# Altium PCB DI543.PcbDoc (part 1 of 8) (continued)
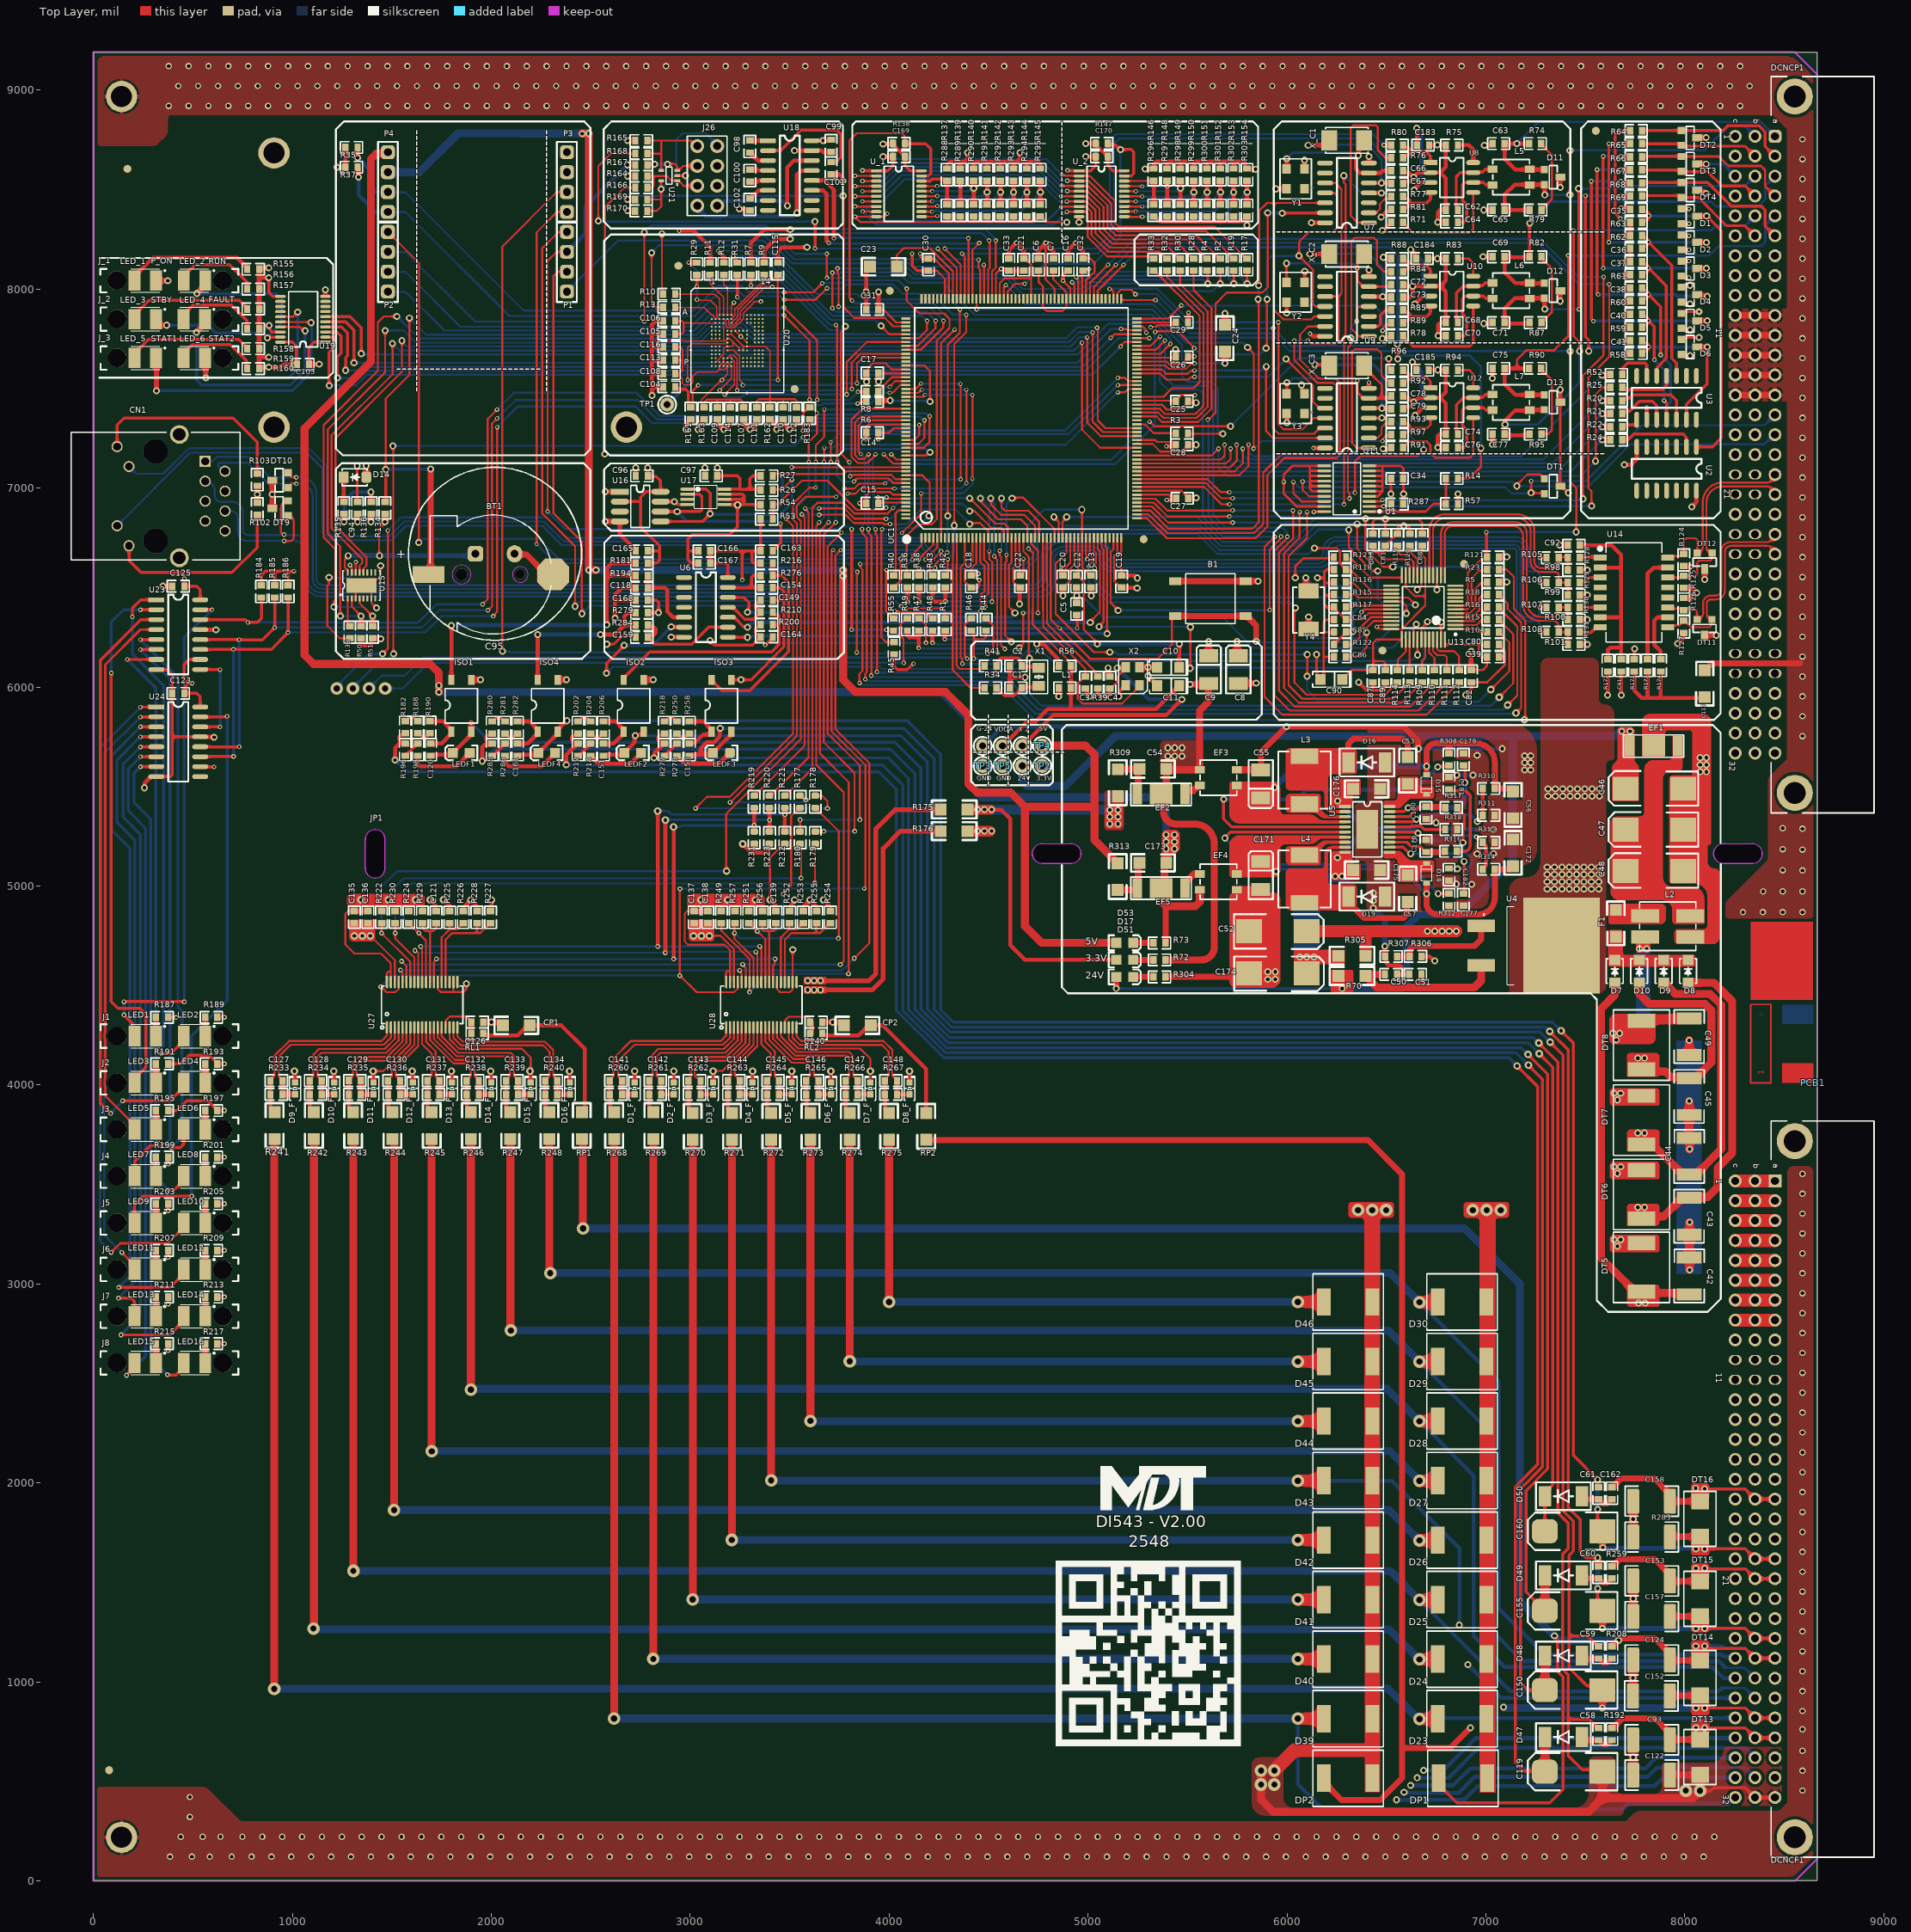
[diagram p0: Top Layer view]
## Components (designator, comment, footprint, x,y, rotation, side; value= is the part's Value field where it differs from the comment) (continued)
D47 "1000V, 1.5A" DO-214AC 7482.77,722.39 r180 top
D48 "1000V, 1.5A" DO-214AC 7482.77,1132.09 r180 top
D49 "1000V, 1.5A" DO-214AC 7482.77,1535.03 r180 top
D50 "1000V, 1.5A" DO-214AC 7482.77,1932.96 r180 top
D51 "Orange" LED-0805#1 5142.27,4543.68 r0 top
D53 "Green" LED-0805#1 5142.27,4715 r0 top
DCNCF1 "533202" EURO2.54-2H96#1 8453.78,3518.5 r270 top locked
DCNCP1 "533202" EURO2.54-2H96#2 8453.78,8768.5 r270 top locked
DP1 "SMCJ36CA" "DO-214AB - Unpolarized" 7006.94,515.73 r180 top
DP2 "SMCJ36CA" "DO-214AB - Unpolarized" 6430,515.73 r180 top
DT1 "NUP2105LT1G" SOT23 7294.5,7047 r0 top
DT2 "NUP2105LT1G" SOT23 7982.44,8798.45 r0 top
DT3 "NUP2105LT1G" SOT23 7982.44,8667.04 r0 top
DT4 "NUP2105LT1G" SOT23 7982.44,8535.63 r0 top
DT5 "SMCJ36CA" "DO-214AB - Unpolarized" 7782.73,2961.1 r90 top
DT6 "SMCJ36CA" "DO-214AB - Unpolarized" 7782.73,3327.92 r90 top
DT7 "SMCJ36CA" "DO-214AB - Unpolarized" 7782.73,3701.52 r90 top
DT8 "SMCJ36CA" "DO-214AB - Unpolarized" 7782.73,4077.91 r90 top
DT9 "10009023" SOT23 978.89,6861.28 r180 top value=NUP2105LT1G
DT10 "10009023" SOT23 978.81,7002.21 r180 top value=NUP2105LT1G
DT11 "10009023" SOT23 8136.93,6339.67 r270 top value=NUP2105LT1G
DT12 "10009023" SOT23 8137.89,6673.5 r270 top value=NUP2105LT1G
DT13 "36V, 600W" "DO-214AA - Unpolarized" 8077.76,533.46 r90 top
DT14 "36V, 600W" "DO-214AA - Unpolarized" 8077.76,931.27 r90 top
DT15 "36V, 600W" "DO-214AA - Unpolarized" 8077.76,1328.91 r90 top
DT16 "36V, 600W" "DO-214AA - Unpolarized" 8077.76,1730.48 r90 top
EF1 "1000pF" NFE61P 7963.58,5703.74 r180 top
EF2 "1000pF" NFE61P 5487.49,5461.49 r180 top
EF3 "ACM4520-142-2P-T000" ACM4520 5655.57,5545.3 r180 top
EF4 "ACM4520-142-2P-T000" ACM4520 5655.57,5021.43 r180 top
EF5 "1000pF" NFE61P 5487.49,4989.45 r180 top
F1 "2A,63VDC" Fuse1206 7653.07,4747.17 r90 top
G-24 "Yellow" "TEST Point Yellow"#2 4320.32,5829.24 r0 top
ISO1 "HCPL-181-00CE" SO4 1799.63,5776.27 r90 top
ISO2 "HCPL-181-00CE" SO4 2666.16,5776.27 r90 top
ISO3 "HCPL-181-00CE" SO4 3107.22,5776.27 r90 top
ISO4 "HCPL-181-00CE" SO4 2233.49,5776.47 r90 top
J1 "1270.1001" LightGuide2 118.9,4246 r0 top locked
J2 "1270.1001" LightGuide2 118.9,4011 r0 top locked
J3 "1270.1001" LightGuide2 118.9,3777 r0 top locked
J4 "1270.1001" LightGuide2 118.9,3542 r0 top locked
J5 "1270.1001" LightGuide2 118.9,3307 r0 top locked
J6 "1270.1001" LightGuide2 118.9,3073 r0 top locked
J7 "1270.1001" LightGuide2 118.9,2838 r0 top locked
J8 "1270.1001" LightGuide2 118.9,2603 r0 top locked
J26 "2X4" "Header 2x4/F/2.54/ST" 3135.83,9319.69 r270 top
J_1 "1270.1001" LightGuide2 117.9,8043.45 r0 top locked
J_2 "1270.1001" LightGuide2 118.9,7849.45 r0 top locked
J_3 "1270.1001" LightGuide2 118.9,7654.45 r0 top locked
JP1 "*" "PCB Plastic guard" 8661.42,5105.86 r0 top locked
L1 "BLM18AG601" "Indicator 0603" 4855.05,5997.29 r0 top value=BLM18BD601SN1
L2 "ACM7060-301-2PL-TL01" DWL7B 7801.27,4849.03 r0 top
L3 "IHLP2525CZER4R7M01" CDRH8D28 6089,5652.88 r270 top
L4 "IHLP2525CZER3R3M01" CDRH8D28 6089,4915.46 r90 top
L5 "ACM4520-142-2P-T000" ACM4520 7127.5,8563.37 r0 top
L6 "ACM4520-142-2P-T000" ACM4520 7127.5,7992.37 r0 top
L7 "ACM4520-142-2P-T000" ACM4520 7127.5,7431.37 r0 top
LED1 "Green" LEDT670 260.63,4246 r0 top
LED2 "Green" LEDT670 508.67,4246 r0 top
LED3 "Green" LEDT670 260.63,4011 r0 top
LED4 "Green" LEDT670 508.67,4011 r0 top
LED5 "Green" LEDT670 260.63,3777 r0 top
LED6 "Green" LEDT670 508.67,3777 r0 top
LED7 "Green" LEDT670 260.63,3542 r0 top
LED8 "Green" LEDT670 508.67,3542 r0 top
LED9 "Green" LEDT670 260.63,3307 r0 top
LED10 "Green" LEDT670 508.67,3307 r0 top
LED11 "Green" LEDT670 260.63,3073 r0 top
LED12 "Green" LEDT670 508.67,3073 r0 top
LED13 "Green" LEDT670 260.63,2838 r0 top
LED14 "Green" LEDT670 508.67,2838 r0 top
LED15 "Green" LEDT670 260.63,2603 r0 top
LED16 "Green" LEDT670 508.67,2603 r0 top
LED_1 "Green" LEDT670 260.98,8043.71 r0 top
LED_2 "Green" LEDT670 507.58,8043.71 r0 top
LED_3 "Green" LEDT670 260.98,7849.8 r0 top
LED_4 "Green" LEDT670 507.23,7849.8 r0 top
LED_5 "Green" LEDT670 260.98,7654.96 r0 top
LED_6 "Green" LEDT670 507.23,7654.96 r0 top
LEDF1 "ORANGE" LED-0805#1 1892.13,5669.26 r180 top value=Orange
LEDF2 "ORANGE" LED-0805#1 2753.57,5669.26 r180 top value=Orange
LEDF3 "ORANGE" LED-0805#2 3199.72,5669.26 r180 top value=Orange
LEDF4 "ORANGE" LED-0805#1 2321.31,5669.26 r180 top value=Orange
P1 "1x4" "Header 1x4/M/ST" 2380.42,8138 r270 top
P2 "1x4" "Header 1x4/M/ST" 1480.42,8138 r270 top
P3 "1x4" "Header 1x4/M/ST" 2380.42,8538.48 r90 top
P4 "1x4" "Header 1x4/M/ST" 1480.42,8538.48 r90 top
PCB1 "" LayerN4 8646,4011 r90 top
R1 "0R" "RES 0603"#1 4280.8,6313.78 r90 top
R2 "33R" "RES 0603"#1 5667.5,8123.7 r270 top
R3 "0R" "RES 0603"#1 5472,7278 r0 top
R4 "33R" "RES 0603"#1 5600.61,8123.7 r270 top
R5 "33R" "RES 0603"#1 7036.27,6526.52 r180 top
R6 "0R" "RES 0603"#1 3915.43,7436.97 r0 top
R7 "0R" "RES 0603"#1 3307,8103.4 r270 top
R8 "0R" "RES 0603"#1 3915.43,7488 r0 top
R9 "0R" "RES 0603"#1 3375,8103.4 r270 top
R10 "0R" "RES 0603"#1 2894,7977.42 r0 top
R11 "0R" "RES 0603"#1 3103,8103.4 r270 top
R12 "0R" "RES 0603"#1 3171,8103.4 r270 top
R13 "0R" "RES 0603"#1 2894,7910.79 r0 top
R14 "0R" "RES 0603"#1 6829,7050.38 r0 top
R15 "33R" "RES 0603"#2 7036.27,6338.08 r180 top
R16 "33R" "RES 0603"#1 7036.27,6400.9 r180 top
R17 "33R" "RES 0603"#1 5801.28,8123.7 r270 top
R18 "33R" "RES 0603"#1 7036.27,6463.71 r180 top
R19 "33R" "RES 0603"#1 5734.39,8123.7 r270 top
R20 "0R" "RES 0603"#1 7656,7441.98 r0 top
R21 "0R" "RES 0603"#1 7656,7376.12 r0 top
R22 "0R" "RES 0603"#1 7656,7310.27 r0 top
R23 "33R" "RES 0603"#1 7035.27,6593.34 r0 top
R24 "0R" "RES 0603"#1 7656,7244.42 r0 top
R25 "0R" "RES 0603"#1 7656,7507.83 r0 top
R26 "4.7K, 1%" "RES 0603"#1 3384.43,6991.36 r0 top
R27 "4.7K, 1%" "RES 0603"#1 3384.43,7063.68 r0 top
R28 "33R" "RES 0603"#1 5533.72,8123.7 r270 top
R29 "0R" "RES 0603"#1 3031,8102.4 r90 top
R30 "33R" "RES 0603"#1 5466.83,8123.7 r270 top
R31 "0R" "RES 0603"#1 3235,8102.4 r90 top
R32 "33R" "RES 0603"#1 5399.94,8123.7 r270 top
R33 "33R" "RES 0603"#1 5333.05,8123.7 r270 top
R34 "0R" "RES 0603"#1 4510.89,5994.56 r180 top
R35 "4.7K, 1%" "RES 0603"#1 1297.27,8714.48 r0 top
R36 "0R" "RES 0603"#1 4093.66,6531 r270 top
R37 "4.7K, 1%" "RES 0603"#1 1297.27,8614.89 r0 top
R38 "0R" "RES 0603"#1 4152.45,6531 r270 top
R39 "0R" "RES 0603"#1 5046.52,6022.29 r90 top
R40 "0R" "RES 0603"#3 4025.02,6531 r270 top
R41 "0R" "RES 0603"#1 4510.89,6104.02 r180 top
R42 "0R" "RES 0603"#1 4284.8,6531 r270 top
R43 "0R" "RES 0603"#1 4221.09,6531 r270 top
R44 "0R" "RES 0603"#4 4490.08,6314.78 r270 top
R45 "10K, 1%" "RES 0603"#1 4022.99,6194.88 r90 top
R46 "0R" "RES 0603"#4 4416.5,6314.78 r270 top
R47 "0R" "RES 0603"#5 4152.45,6314.78 r270 top
R48 "0R" "RES 0603"#5 4221.09,6314.78 r270 top
R49 "0R" "RES 0603"#6 4093.66,6314.78 r270 top
R50 "4.7K, 1%" "RES 0603"#1 1344.06,6275.4 r90 top
R51 "4.7K, 1%" "RES 0603"#1 1401.3,6275.4 r90 top
R52 "0R" "RES 0603"#1 7656,7573.68 r0 top
R53 "10K, 1%" "RES 0603"#1 3385.43,6842.72 r180 top
R54 "10K, 1%" "RES 0603"#1 3385.43,6915.04 r180 top
R55 "10K, 1%" "RES 0603"#7 4021.02,6313.78 r90 top
R56 "0R" "RES 0603"#1 4883.05,6108.29 r0 top
R57 "4.7K, 1%" "RES 0603"#1 6830,6920.05 r180 top
R58 "3.3K, 1%" "RES 0603"#1 7756,7675 r180 top
R59 "3.3K, 1%" "RES 0603"#1 7756,7806.82 r180 top
R60 "3.3K, 1%" "RES 0603"#1 7756,7938.65 r180 top
R61 "3.3K, 1%" "RES 0603"#1 7756,8070.47 r180 top
R62 "3.3K, 1%" "RES 0603"#1 7756,8268.21 r180 top
R63 "3.3K, 1%" "RES 0603"#1 7756,8334.12 r180 top
R64 "100R, 1%" "RES 0603"#1 7755.91,8795.51 r180 top
R65 "100R, 1%" "RES 0603"#1 7756.08,8729.6 r180 top
R66 "100R, 1%" "RES 0603"#1 7756.08,8663.68 r180 top
R67 "100R, 1%" "RES 0603"#1 7756.08,8597.77 r180 top
R68 "100R, 1%" "RES 0603"#1 7756.08,8531.86 r180 top
R69 "100R, 1%" "RES 0603"#1 7756.08,8465.95 r180 top
R70 "0R" "RES 1206" 6138.64,4671.39 r0 top
R71 "0R" "RES 0603"#1 6555,8334.94 r180 top
R72 "1K, 1%" "RES 0603"#1 5360.19,4626.76 r180 top
R73 "1K, 1%" "RES 0603"#1 5360.19,4712 r180 top
R74 "120" "RES 0603"#1 7249,8730 r180 top
R75 "0R" "RES 0603"#1 6829,8726.22 r0 top
R76 "0R" "RES 0603"#1 6555,8657.68 r180 top
R77 "0R" "RES 0603"#1 6555,8464.07 r180 top
R78 "0R" "RES 0603"#1 6555,7764.37 r180 top
R79 "0R" "RES 0603"#1 7250,8400 r0 top
R80 "0R" "RES 0603"#1 6554,8726.22 r0 top
R81 "0R" "RES 0603"#1 6554,8403.54 r0 top
R82 "120" "RES 0603"#1 7250,8161 r180 top
R83 "0R" "RES 0603"#1 6829,8155.83 r0 top
R84 "0R" "RES 0603"#1 6555,8086.86 r180 top
R85 "0R" "RES 0603"#1 6555,7892.94 r180 top
R87 "0R" "RES 0603"#1 7249,7834 r0 top
R88 "0R" "RES 0603"#1 6554,8155.83 r0 top
R89 "0R" "RES 0603"#1 6554,7832.47 r0 top
R90 "120" "RES 0603"#1 7249,7600 r180 top
R91 "0R" "RES 0603"#1 6555,7203 r180 top
R92 "0R" "RES 0603"#1 6555,7525.62 r180 top
R93 "0R" "RES 0603"#1 6555,7332.05 r180 top
R94 "0R" "RES 0603"#1 6829,7595 r0 top
R95 "0R" "RES 0603"#1 7250,7273 r0 top
R96 "0R" "RES 0603"#1 6554,7594.14 r0 top
R97 "0R" "RES 0603"#1 6554,7271.52 r0 top
R98 "49.9R 1%" "RES 0603"#1 7442.25,6590.17 r0 top
R99 "49.9R 1%" "RES 0603"#1 7442.25,6465.6 r0 top
R100 "49.9R" "RES 0603"#1 7442.25,6341.03 r0 top
R101 "49.9R" "RES 0603"#1 7442.25,6216.46 r0 top
R102 "240R 1%" "RES 0603"#1 822,6895.78 r90 top
R103 "240R 1%" "RES 0603"#1 826,7042.71 r270 top
R104 "33R" "RES 0603"#1 7036.27,6275.27 r180 top
R105 "0R" "RES 0603"#1 7336.06,6648.46 r180 top
R106 "0R" "RES 0603"#1 7336.06,6523.88 r180 top
R107 "0R" "RES 0603"#1 7336.06,6399.31 r180 top
R108 "0R" "RES 0603"#1 7336.06,6274.74 r180 top
R109 "33R" "RES 0603"#1 6678.01,6054.48 r90 top
R110 "33R" "RES 0603"#1 6739.91,6054.48 r90 top
R111 "33R" "RES 0603"#1 6801.81,6054.48 r90 top
R112 "33R" "RES 0603"#1 6863.72,6054.48 r90 top
R113 "33R" "RES 0603"#1 6616.1,6054.48 r90 top
R114 "33R" "RES 0603"#1 6554.2,6054.48 r90 top
R115 "2.2K" "RES 0603"#1 6267.23,6463.71 r180 top
R116 "2.2K" "RES 0603"#1 6267.23,6526.52 r180 top
R117 "1.5K" "RES 0603"#1 6266.23,6404.9 r0 top
R118 "2.2K" "RES 0603"#1 6267.23,6589.34 r180 top
R119 "2.2K" "RES 0603"#8 6554.2,6740.48 r90 top
R120 "2.2K" "RES 0603"#8 6616.1,6740.48 r90 top
R121 "1.5K" "RES 0603"#1 7036.27,6652.15 r180 top
R122 "0R" "RES 0603"#4 6266.23,6216.46 r0 top
R123 "4.87K" "RES 0603"#9 6266.23,6656.15 r0 top
R124 "49.9R 1%" "RES 0603"#1 7997.05,6639.49 r270 top
R125 "49.9R 1%" "RES 0603"#1 7997.1,6528.96 r270 top
R126 "49.9R 1%" "RES 0603"#1 7993.1,6416.7 r90 top
R127 "49.9R 1%" "RES 0603"#1 7997.1,6303.55 r270 top
R128 "0R" "RES 0603"#1 7442.25,6652.46 r0 top
R129 "0R" "RES 0603"#1 7442.25,6527.88 r0 top
R130 "0R" "RES 0603"#1 7442.25,6403.31 r0 top
R131 "0R" "RES 0603"#1 7442.25,6278.74 r0 top
R133 "0R" "RES 0603"#1 1286.83,6275.4 r90 top
R134 "0R" "RES 0603"#1 1463.53,6900.16 r90 top
R135 "100R, 1%" "RES 0603"#1 1256.89,6900.16 r90 top
R136 "100R, 1%" "RES 0603"#1 1394.65,6900.16 r90 top
R137 "4.7K, 1%" "RES 0603"#1 4289.84,8575.54 r90 top
R138 "10K, 1%" "RES 0603"#4 4050.66,8731 r180 top
R139 "4.7K, 1%" "RES 0603"#1 4356.73,8575.54 r90 top
R140 "4.7K, 1%" "RES 0603"#1 4423.62,8575.54 r90 top
R141 "4.7K, 1%" "RES 0603"#1 4490.51,8575.54 r90 top
R142 "4.7K, 1%" "RES 0603"#1 4557.4,8575.54 r90 top
R143 "4.7K, 1%" "RES 0603"#1 4624.29,8575.54 r90 top
R144 "4.7K, 1%" "RES 0603"#1 4691.18,8575.54 r90 top
R145 "4.7K, 1%" "RES 0603"#1 4758.07,8575.54 r90 top
R146 "4.7K, 1%" "RES 0603"#1 5329.05,8575.54 r90 top
R147 "10K, 1%" "RES 0603"#4 5069.64,8731 r180 top
R148 "4.7K, 1%" "RES 0603"#1 5395.94,8575.54 r90 top
R149 "4.7K, 1%" "RES 0603"#1 5462.83,8575.54 r90 top
R150 "4.7K, 1%" "RES 0603"#1 5529.72,8575.54 r90 top
R151 "4.7K, 1%" "RES 0603"#1 5596.61,8575.54 r90 top
R152 "4.7K, 1%" "RES 0603"#1 5663.5,8575.54 r90 top
R153 "4.7K, 1%" "RES 0603"#1 5730.39,8575.54 r90 top
R154 "4.7K, 1%" "RES 0603"#1 5797.28,8575.54 r90 top
R155 "680R" "RES 0603"#8 802.79,8102.68 r0 top
R156 "680R" "RES 0603"#8 802.79,8002.77 r0 top
R157 "680R" "RES 0603"#8 802.79,7902.86 r0 top
R158 "680R" "RES 0603"#8 802.79,7802.95 r0 top
R159 "680R" "RES 0603"#8 803.79,7699.04 r180 top
R160 "680R" "RES 0603"#8 803.79,7599.13 r180 top
R161 "10K, 1%" "RES 0603"#1 3001.47,7375.12 r90 top
R162 "0R" "RES 0603"#1 3399.45,7375.12 r90 top
R163 "0R" "RES 0603"#1 3067.8,7375.12 r90 top
R164 "4.7K, 1%" "RES 0603"#1 2754.92,8565.47 r180 top
R165 "4.7K, 1%" "RES 0603"#1 2754.92,8745.08 r180 top
R166 "22R" "RES 0603"#1 2753.92,8512.35 r0 top
R167 "22R" "RES 0603"#1 2753.92,8626.58 r0 top
R168 "22R" "RES 0603"#1 2753.92,8683.69 r0 top
R169 "22R" "RES 0603"#1 2753.74,8453.76 r0 top
R170 "4.7K, 1%" "RES 0603"#1 2753.74,8395.47 r0 top
R171 "0R" "RES 0603"#1 7744.46,6108.46 r90 top
R172 "0R" "RES 0603"#1 7615.95,6109.46 r270 top
R173 "68R" "RES 0603"#1 7814.72,6109.46 r270 top
R174 "68R" "RES 0603"#1 7880.98,6109.46 r270 top
R175 "0R" "RES 1206" 4515.57,5261.52 r180 top
R176 "0R" "RES 1206" 4515.57,5152.65 r180 top
R177 "0R" "RES 0603"#10 3550.37,5423.07 r90 top
R178 "0R" "RES 0603"#10 3631.12,5424.07 r270 top
R179 "0R" "RES 0603"#10 3631.12,5243.88 r270 top
R180 "0R" "RES 0603"#10 3554.37,5243.88 r270 top
R181 "10K, 1%" "RES 0603"#1 2757.2,6620.67 r180 top
R182 "1.5K" "RES 0603"#1 1569.9,5798.65 r270 top
R183 "0R" "RES 0603"#1 3598.43,7375.12 r90 top
R184 "1K, 1%" "RES 0603"#1 842.52,6480.19 r90 top
R185 "1K, 1%" "RES 0603"#1 909.42,6480.19 r90 top
R186 "1K, 1%" "RES 0603"#1 976.83,6480.19 r90 top
R187 "680R" "RES 0603"#1 344.49,4342.52 r0 top
R188 "1.5K" "RES 0603"#1 1628.02,5797.65 r90 top
R189 "680R" "RES 0603"#1 592.41,4342.52 r0 top
R190 "1.5K" "RES 0603"#1 1694.14,5798.65 r270 top
R191 "680R" "RES 0603"#1 344.49,4108.11 r0 top
R192 "0R" "RES 0603"#1 7635.96,737.39 r270 top
R193 "680R" "RES 0603"#1 592.41,4108.11 r0 top
R194 "1K, 1%" "RES 0603"#1 2757.2,6558.59 r180 top
R195 "680R" "RES 0603"#1 344.49,3873.71 r0 top
R196 "1.5K" "RES 0603"#2 1565.9,5684.76 r90 top
R197 "680R" "RES 0603"#1 592.41,3873.71 r0 top
R198 "1.5K" "RES 0603"#11 1629.53,5684.76 r90 top
R199 "680R" "RES 0603"#1 344.49,3639.3 r0 top
R200 "10K, 1%" "RES 0603"#1 3384.43,6316 r0 top
R201 "680R" "RES 0603"#1 592.41,3639.3 r0 top
R202 "1.5K" "RES 0603"#1 2438.48,5797.65 r270 top
R203 "680R" "RES 0603"#1 344.49,3404.9 r0 top
R204 "1.5K" "RES 0603"#1 2498.39,5796.65 r90 top
R205 "680R" "RES 0603"#1 592.41,3404.9 r0 top
R206 "1.5K" "RES 0603"#1 2566.3,5797.65 r270 top
R207 "680R" "RES 0603"#1 344.49,3170.49 r0 top
R208 "0R" "RES 0603"#1 7635.96,1148.09 r270 top
R209 "680R" "RES 0603"#1 592.41,3170.49 r0 top
R210 "1K, 1%" "RES 0603"#1 3384.43,6377.79 r0 top
R211 "680R" "RES 0603"#1 344.49,2936.09 r0 top
R212 "1.5K" "RES 0603"#2 2434.48,5684.76 r90 top
R213 "680R" "RES 0603"#1 592.41,2936.09 r0 top
R214 "1.5K" "RES 0603"#11 2498.39,5684.76 r90 top
R215 "680R" "RES 0603"#1 344.49,2701.68 r0 top
R216 "10K, 1%" "RES 0603"#1 3384.43,6624.95 r0 top
R217 "680R" "RES 0603"#1 592.41,2701.68 r0 top
R218 "1.5K" "RES 0603"#1 2872.54,5797.65 r270 top
R219 "0R" "RES 0603"#10 3320.12,5423.07 r90 top
R220 "0R" "RES 0603"#10 3396.87,5423.07 r90 top
R221 "0R" "RES 0603"#10 3473.62,5423.07 r90 top
R222 "4.7K, 1%" "RES 0603"#1 1450.62,4843.61 r270 top
R223 "4.7K, 1%" "RES 0603"#10 3396.87,5242.88 r90 top
R224 "4.7K, 1%" "RES 0603"#1 1587.62,4843.61 r270 top
R225 "1K, 1%" "RES 0603"#1 1793.12,4843.47 r270 top
R226 "1K, 1%" "RES 0603"#1 1857.62,4842.47 r90 top
R227 "1K, 1%" "RES 0603"#1 1998.62,4843.47 r270 top
R228 "1K, 1%" "RES 0603"#1 1926.12,4842.47 r90 top
R229 "4.7K, 1%" "RES 0603"#1 1656.12,4843.61 r270 top
R230 "4.7K, 1%" "RES 0603"#1 1519.12,4843.61 r270 top
R231 "4.7K, 1%" "RES 0603"#10 3320.12,5242.88 r90 top
R232 "4.7K, 1%" "RES 0603"#10 3477.62,5243.88 r270 top
R233 "16K, 1%" "RES 0603"#1 920.38,3951.06 r180 top
R234 "16K, 1%" "RES 0603"#1 1117.84,3951.06 r180 top
R235 "16K, 1%" "RES 0603"#1 1315.29,3951.06 r180 top
R236 "16K, 1%" "RES 0603"#1 1512.75,3951.06 r180 top
R237 "16K, 1%" "RES 0603"#1 1710.2,3951.06 r180 top
R238 "16K, 1%" "RES 0603"#1 1907.65,3951.06 r180 top
R239 "16K, 1%" "RES 0603"#1 2105.11,3951.06 r180 top
R240 "16K, 1%" "RES 0603"#1 2302.56,3951.06 r180 top
R241 "1K - 0.5%" "RES 1206" 787.38,3607.56 r90 top
R242 "1K - 0.5%" "RES 1206" 984.84,3607.56 r90 top
R243 "1K - 0.5%" "RES 1206" 1182.29,3607.56 r90 top
R244 "1K - 0.5%" "RES 1206" 1379.75,3607.56 r90 top
R245 "1K - 0.5%" "RES 1206" 1577.2,3607.56 r90 top
R246 "1K - 0.5%" "RES 1206" 1774.65,3607.56 r90 top
R247 "1K - 0.5%" "RES 1206" 1972.11,3607.56 r90 top
R248 "1K - 0.5%" "RES 1206" 2169.56,3607.56 r90 top
R249 "4.7K, 1%" "RES 0603"#1 3159.28,4843.47 r270 top
R250 "1.5K" "RES 0603"#1 2931.62,5796.65 r90 top
R251 "4.7K, 1%" "RES 0603"#1 3296.28,4843.47 r270 top
R252 "1K, 1%" "RES 0603"#1 3501.78,4843.47 r270 top
R253 "1K, 1%" "RES 0603"#1 3566.28,4842.47 r90 top
R254 "1K, 1%" "RES 0603"#1 3707.28,4843.47 r270 top
R255 "1K, 1%" "RES 0603"#1 3634.78,4842.47 r90 top
R256 "4.7K, 1%" "RES 0603"#1 3364.78,4843.47 r270 top
R257 "4.7K, 1%" "RES 0603"#1 3227.78,4843.47 r270 top
R258 "1.5K" "RES 0603"#1 2998.7,5797.65 r270 top
R259 "0R" "RES 0603"#1 7635.96,1551.03 r270 top
R260 "16K, 1%" "RES 0603"#1 2627.43,3951.06 r180 top
R261 "16K, 1%" "RES 0603"#1 2824.92,3951.06 r180 top
R262 "16K, 1%" "RES 0603"#1 3022.42,3951.06 r180 top
R263 "16K, 1%" "RES 0603"#1 3219.92,3951.06 r180 top
R264 "16K, 1%" "RES 0603"#1 3417.41,3951.06 r180 top
R265 "16K, 1%" "RES 0603"#1 3614.91,3951.06 r180 top
R266 "16K, 1%" "RES 0603"#1 3812.41,3951.06 r180 top
R267 "16K, 1%" "RES 0603"#1 4009.91,3951.06 r180 top
R268 "1K - 0.5%" "RES 1206" 2494.43,3607.56 r90 top
R269 "1K - 0.5%" "RES 1206" 2691.92,3607.56 r90 top
R270 "1K - 0.5%" "RES 1206" 2889.42,3603.39 r90 top
R271 "1K - 0.5%" "RES 1206" 3086.92,3603.39 r90 top
R272 "1K - 0.5%" "RES 1206" 3284.41,3603.39 r90 top
R273 "1K - 0.5%" "RES 1206" 3481.91,3603.39 r90 top
R274 "1K - 0.5%" "RES 1206" 3679.41,3603.39 r90 top
R275 "1K - 0.5%" "RES 1206" 3876.91,3603.39 r90 top
R276 "1K, 1%" "RES 0603"#1 3384.43,6563.16 r0 top
R277 "1.5K" "RES 0603"#12 2868.54,5684.76 r90 top
R278 "1.5K" "RES 0603"#11 2931.62,5684.76 r90 top
R279 "10K, 1%" "RES 0603"#4 2757.2,6372.36 r180 top
R280 "1.5K" "RES 0603"#1 2006.6,5797.65 r270 top
R281 "1.5K" "RES 0603"#1 2066.51,5796.65 r90 top
R282 "1.5K" "RES 0603"#1 2134.42,5797.65 r270 top
R283 "0R" "RES 0603"#1 7635.96,1948.96 r270 top
R284 "1K, 1%" "RES 0603"#4 2757.2,6310.29 r180 top
R285 "1.5K" "RES 0603"#2 2002.6,5684.76 r90 top
R286 "1.5K" "RES 0603"#11 2066.51,5684.76 r90 top
R287 "0R" "RES 0603"#1 6555,6918.36 r180 top
R288 "0R" "RES 0603"#1 4289.84,8395.98 r90 top
R289 "0R" "RES 0603"#1 4356.73,8395.98 r90 top
R290 "0R" "RES 0603"#1 4423.62,8395.98 r90 top
R291 "0R" "RES 0603"#1 4490.51,8395.98 r90 top
R292 "0R" "RES 0603"#1 4557.4,8395.98 r90 top
R293 "0R" "RES 0603"#1 4624.29,8395.98 r90 top
R294 "0R" "RES 0603"#1 4691.18,8395.98 r90 top
R295 "0R" "RES 0603"#1 4758.07,8395.98 r90 top
R296 "0R" "RES 0603"#1 5329.05,8395.98 r90 top
R297 "0R" "RES 0603"#1 5395.94,8395.98 r90 top
R298 "0R" "RES 0603"#1 5462.83,8395.98 r90 top
R299 "0R" "RES 0603"#1 5529.72,8395.98 r90 top
R300 "0R" "RES 0603"#1 5596.61,8395.98 r90 top
R301 "0R" "RES 0603"#1 5663.5,8395.98 r90 top
R302 "0R" "RES 0603"#1 5730.39,8395.98 r90 top
R303 "0R" "RES 0603"#1 5797.28,8395.98 r90 top
R304 "4.7K, 1%" "RES 0603"#1 5359.19,4545.51 r0 top
R305 "0R" "RES 1206" 6515.64,4525.96 r180 top
R306 "1K, 1%" "RES 0603"#1 6646.19,4648.69 r0 top
R307 "15K, 1%" "RES 0603"#1 6523.54,4647.98 r0 top
R308 "100K, 1%" "RES 0603"#1 6817.04,5637.25 r270 top
R309 "0R" "RES 1206" 5273.27,5707.88 r270 top
R310 "24.9K, 1%" "RES 0603"#1 7015,5488.23 r180 top
R311 "8.06K, 1%" "RES 0603"#1 7015,5353.08 r180 top
R312 "100K, 1%" "RES 0603"#1 6813.04,4931.09 r90 top
R313 "0R" "RES 1206" 5026.27,4858.84 r90 top
R314 "42.2K, 1%" "RES 0603"#1 7014,5086.77 r0 top
R315 "8.06K, 1%" "RES 0603"#1 7015,5217.92 r180 top
R316 "31.6K, 1%" "RES 0603"#1 6825.14,5172.69 r180 top
R317 "84.5K, 1%" "RES 0603"#1 6826.14,5396.25 r0 top
R318 "61.9K, 1%" "RES 0603"#1 6826.14,5282.47 r180 top
RL1 "0R" "RES 0603"#1 1929,4260.38 r0 top
RL2 "0R" "RES 0603"#1 3633.27,4260.38 r0 top
RP1 "1K - 0.5%" "RES 1206" 2578.99,3984.56 r270 top
RP2 "1K - 0.5%" "RES 1206" 4309.89,3980.39 r270 top
TP1 "Yellow" "TEST Point Yellow"#1 2759.54,7269.93 r90 top
TP2 "3.3V" "TEST Point Orange" 4644.5,5454.23 r90 top value=Orange
TP3 "GND" "TEST Point RED"#1 4345.32,5454.24 r90 top value=Red
TP4 "5V" "TEST Point RED"#1 4645,5555.24 r90 top value=Red
TP5 "GND" "TEST Point RED"#1 4445.07,5454.24 r90 top value=Red
U1 "SN74LVC245A" 74245 6301.03,6997.43 r180 top
U2 "SN74LV14ADR" SO14 8059.25,7207.86 r270 top
U3 "SN74LV14ADR" SO14 8059.25,7564.63 r270 top
U4 "LM317D2T-TR" D2PACK 7179,4701 r0 top
U5 "LT3501EFE#PBF" TSSOP20-21 6292,5399.63 r0 top
U6 "CD40106BM96" SO14 2968.55,6551.45 r0 top
U7 "MCP2517FD" SO14 6412.42,8333.53 r180 top
U8 "SN65HVD233D" SOIC8 6721.5,8636.38 r0 top
U9 "MCP2517FD" SO14 6412.42,7762.53 r180 top
U10 "SN65HVD233D" SOIC8 6721.5,8065.38 r0 top
U11 "MCP2517FD" SO14 6412.42,7201.53 r180 top
U12 "SN65HVD233D" SOIC8 6721.5,7504.38 r0 top
U13 "DP83848CVV" LQFP-48_M 6847.23,6292.36 r180 top
U14 "H1102NL" H1102NL 7744.46,6475.84 r0 top
U15 "PCF2131" SON_131TFY_NXP 1347.83,6510.75 r90 top
U16 "CAT24C64WI-GT3" SO8 2646.48,6982.43 r0 top
U17 "TCN75-3.3MUA" MSOP8 2984.29,6994.79 r0 top
U18 "ADM3202ARNZ" SO16 3391.42,8746.3 r0 top
U19 "SN74LV573APWR" TSSOP20 1166.38,7733.82 r180 top
U20 "EMMC04G-MK27-C01C" EMMC 3236.5,7742.12 r0 top value=4GB
U21 "TVS Diodes 25W 6.1V Quad Array" SOT-353 2935.04,8545.28 r180 top
U23 "SN74HC595D" SO16 317,6438.64 r0 top
U24 "SN74HC595D" SO16 317,5899.92 r0 top
U27 "ISO1228DFBR" SSOP38 1652.56,4403.49 r90 top
U28 "ISO1228DFBR" SSOP38 3357.74,4403.49 r90 top
U_1 "SN74LV245APWR" TSSOP20 3936.42,8594.92 r0 top
U_2 "SN74LV245APWR" TSSOP20 4955.62,8594.92 r0 top
UC1 "STM32F769BIT6" LQF208 4689.22,7348.34 r90 top
VDDA "Red" "TEST Point RED"#2 4445.32,5554.24 r90 top
X1 "32.7680KHZ" "Xtal 32.78" 4751.71,6050.29 r270 top
X2 "Crystals 20MHz" "Crystal 20m" 5223.34,6055.29 r90 top
"X 2" "Red" "TEST Point RED"#1 4545.32,5554.24 r90 top
X_C1 "20MHz" CRYSTAL-ABM3 6388.5,8748.08 r180 top
X_C2 "20MHz" CRYSTAL-ABM3 6388.5,8177.08 r180 top
X_C3 "20MHz" CRYSTAL-ABM3 6388.5,7616 r180 top
Y1 "12MHZ" OSC-5X3.2 6089.31,8504.46 r90 top
Y2 "12MHZ" OSC-5X3.2 6089.31,7934.53 r90 top
Y3 "12MHZ" OSC-5X3.2 6089.31,7374.94 r90 top
Y4 "25.0000 MHz" ABM7-3.5X6 6109.25,6387.8 r90 top

## Footprints (in the part's own frame and the unit in brackets; to place one, negate y for a bottom-side part, rotate by r counter-clockwise, add the part's x,y. Pads: shape width x height; smd on the part's side, far side on the other; paste and mask are expansions set on the pad)
3528-21 [mm]
  rect 1.65x2.4 smd: 1(0,0) 2(3.54,0)
  silkscreen extent -1.32,-1.55 4.8,1.55, body extent 0.11,-1.44 3.81,1.49, height 2.03
7343 [mil]
  rect 130x120 smd: 1(0,0) 2(290,0)
  silkscreen extent -86,-85 365,89, body extent 15,-89 315,92, height 157
74245 [mil]
  oval 68.58x14.33 smd: 1(-113.03,115.16) 2(-113.03,89.57) 3(-113.03,63.98) 4(-113.03,38.39) 5(-113.03,12.79) 6(-113.03,-12.8) 7(-113.03,-38.39) 8(-113.03,-63.98) 9(-113.03,-89.57) 10(-113.03,-115.16) 11(113.03,-115.16) 12(113.03,-89.57) 13(113.03,-63.98) 14(113.03,-38.39) 15(113.03,-12.8) 16(113.03,12.79) 17(113.03,38.39) 18(113.03,63.98) 19(113.03,89.57) 20(113.03,115.16)
  silkscreen extent -171,-131 70,131, body extent -126,-128 126,128, height 47
ABM7-3.5X6 [mil]
  rect 75x102 smd mask+2: 1(-95.5,0) 2(95.5,0)
  silkscreen extent -116,-79 114,79, body extent -118,-69 118,69, height 55
ACM4520 [mm]
  rect 1.25x0.95 smd: 1(-2.375,1) 2(-2.375,-1) 3(2.375,-1) 4(2.375,1)
  silkscreen extent -2.35,-2.25 2.35,2.25, body extent -2.26,-1.62 2.36,1.63, height 2.98
"BAT Holder 1220" [mil] "BAT Holder 1220"
  rect 160x85 smd: 1(-163.99,2)
  oct 160x160 smd: 2(461.99,2)
  round 58 hole 58: ""(1.36,2)
  round 47 hole 47: ""(296.64,2)
  Top Layer region: 381.99,-32 381.99,36 390.49,44.5 533.49,44.5 541.99,36 541.99,-32 533.49,-40.5 390.49,-40.5
  Top Layer keep-out circle w1: c1.36,2 r47.25
  Top Layer keep-out circle w1: c296.64,2 r39.37
  silkscreen extent -156,-297 453,301, body extent -226,-286 514,295
"CAP 0603"#1 [mil]
  rect 32x39 smd: 1(-30,-1) 2(31,-1)
  silkscreen extent -55,-30 56,28, body extent -39,-16 39,15, height 31
"CAP 0603"#2 [mil]
  rect 32x37.4 smd: 1(-30,-1) 2(31,-1)
  silkscreen extent -55,-30 56,28, body extent -39,-16 39,15, height 31
"CAP 0603"#3 [mil]
  rrect20% 32x39 smd: 1(-30,-1)
  rect 32x39 smd: 2(31,-1)
  silkscreen extent -55,-30 56,28, body extent -39,-16 39,15, height 31
"CAP 0603"#4 [mil]
  rrect20% 32x39 smd: 1(-30,-1) 2(31,-1)
  silkscreen extent -55,-30 56,28, body extent -39,-16 39,15, height 31
"CAP 0603"#5 [mil]
  rrect30% 32x39 smd: 1(-30,-1) 2(31,-1)
  silkscreen extent -55,-30 56,28, body extent -39,-16 39,15, height 31
"CAP 0603"#6 [mil] "Chip Inductor, Body 0.6x0.3mm, IPC High Density"
  rect 32x39 smd: 1(-30,-1)
  rrect20% 32x39 smd: 2(31,-1)
  silkscreen extent -55,-30 56,28, body extent -39,-16 39,15, height 31
"Cap 1206" [mil] "Cap1206"
  rect 60x60 smd: 1(-370,-78) 2(-235,-78)
  silkscreen extent -412,-121 -193,-34, body extent -382,-111 -224,-48, height 60
"CAP 1812"#1 [mil] "CAP 1812"
  rect 60x125 smd: 1(266,-137) 2(451,-137)
  silkscreen extent 224,-212 492,-61, body extent 246,-201 468,-75, height 100
"CAP 1812"#2 [mil] "CAP 1812"
  rrect20% 60x125 smd: 1(266,-137) 2(451,-137)
  silkscreen extent 224,-212 492,-61, body extent 246,-201 468,-75, height 100
"CAP Tantal 7343" [mil] "CAP Tantal 7343"
  rrect50% 130x120 smd: 1(2796,8311)
  rect 130x120 smd: 2(3086,8311)
  silkscreen extent 2710,8217 3161,8406, body extent 2799,8216 3099,8398, height 122
CDRH8D28 [mm]
  rect 2x3.5 smd: 1(0,0) 2(6.116,0)
  silkscreen extent -0.59,-3.35 6.71,3.35, body extent -0.48,-3.32 6.6,3.35, height 2.89
"Crystal 20m" [mil] "Crystals"
  rect 51x43 smd: 1(-46.19,-36.28) 2(44.19,-36.28) 3(44.19,34.28) 4(-46.19,34.28)
  silkscreen extent -89,-76 84,69, body extent -64,-50 62,50, height 24
CRYSTAL-ABM3 [mil]
  rect 80x100 smd: 1(0,0) 2(175,0)
  silkscreen extent -20,-65 194,65, body extent -12,-66 184,60, height 43
D2PACK [mm]
  rect 3.5x1.6 smd: 1(-5.137,2.54) 3(-5.137,-2.54)
  rect 9.75x12.2 smd paste-7: 4(5.138,0)
  silkscreen extent -4.91,-5 -0.95,5, body extent -6.15,-5.1 9.28,5.1, height 4.6
"DO-214AA - Unpolarized" [mil]
  rect 80x90 smd: A(0,0) K(177,0)
  silkscreen extent -50,-80 227,82, body extent -21,-77 195,77, height 96
"DO-214AB - Unpolarized" [mm]
  rect 1.8x3.5 smd: A(0,0) K(6.2,0)
  silkscreen extent -1.4,-3.6 7.6,3.6, body extent -0.97,-3.05 7.16,3.05, height 2.4
DO-214AC [mm]
  rect 1.6x2.54 smd mask+0.051: A(0,0) K(4.699,0)
  silkscreen extent -1.14,-1.78 5.84,1.78, body extent -0.31,-1.45 5.19,1.35, height 2.6
DO-219AB#1 [mm]
  rect 1.3x1.4 smd: A(0,0) K(2.9,0)
  silkscreen extent -0.08,-1.07 3.1,1.09, body extent -0.48,-0.95 3.42,0.95, height 1.25
DO-219AB#2 [mm]
  rrect50% 1.3x1.4 smd: A(0,0)
  rect 1.3x1.4 smd: K(2.9,0)
  silkscreen extent -0.08,-1.07 3.1,1.09, body extent -0.48,-0.95 3.42,0.95, height 1.25
DWL7B [mil]
  rect 140x66.93 smd: 1(0,0) 2(0,-104.55) 3(226.73,-104.55) 4(226.73,0)
  silkscreen extent -29,-174 255,70, body extent -25,-170 251,66, height 138